# Altium PCB Board-PCB.PcbDoc (part 1 of 2)
Units mm, origin at the board's own origin, x right, y up, seen from the top; angles counter-clockwise.
Board outline 60 x 100 mm, 4 copper layers (Top Layer, Mid Layer 1, Mid Layer 2, Bottom Layer), stack 0.778 mm thick; 163 components, 149 nets, 665 pads, 352 vias.
Unrouted connection lines stored in the file: 350.
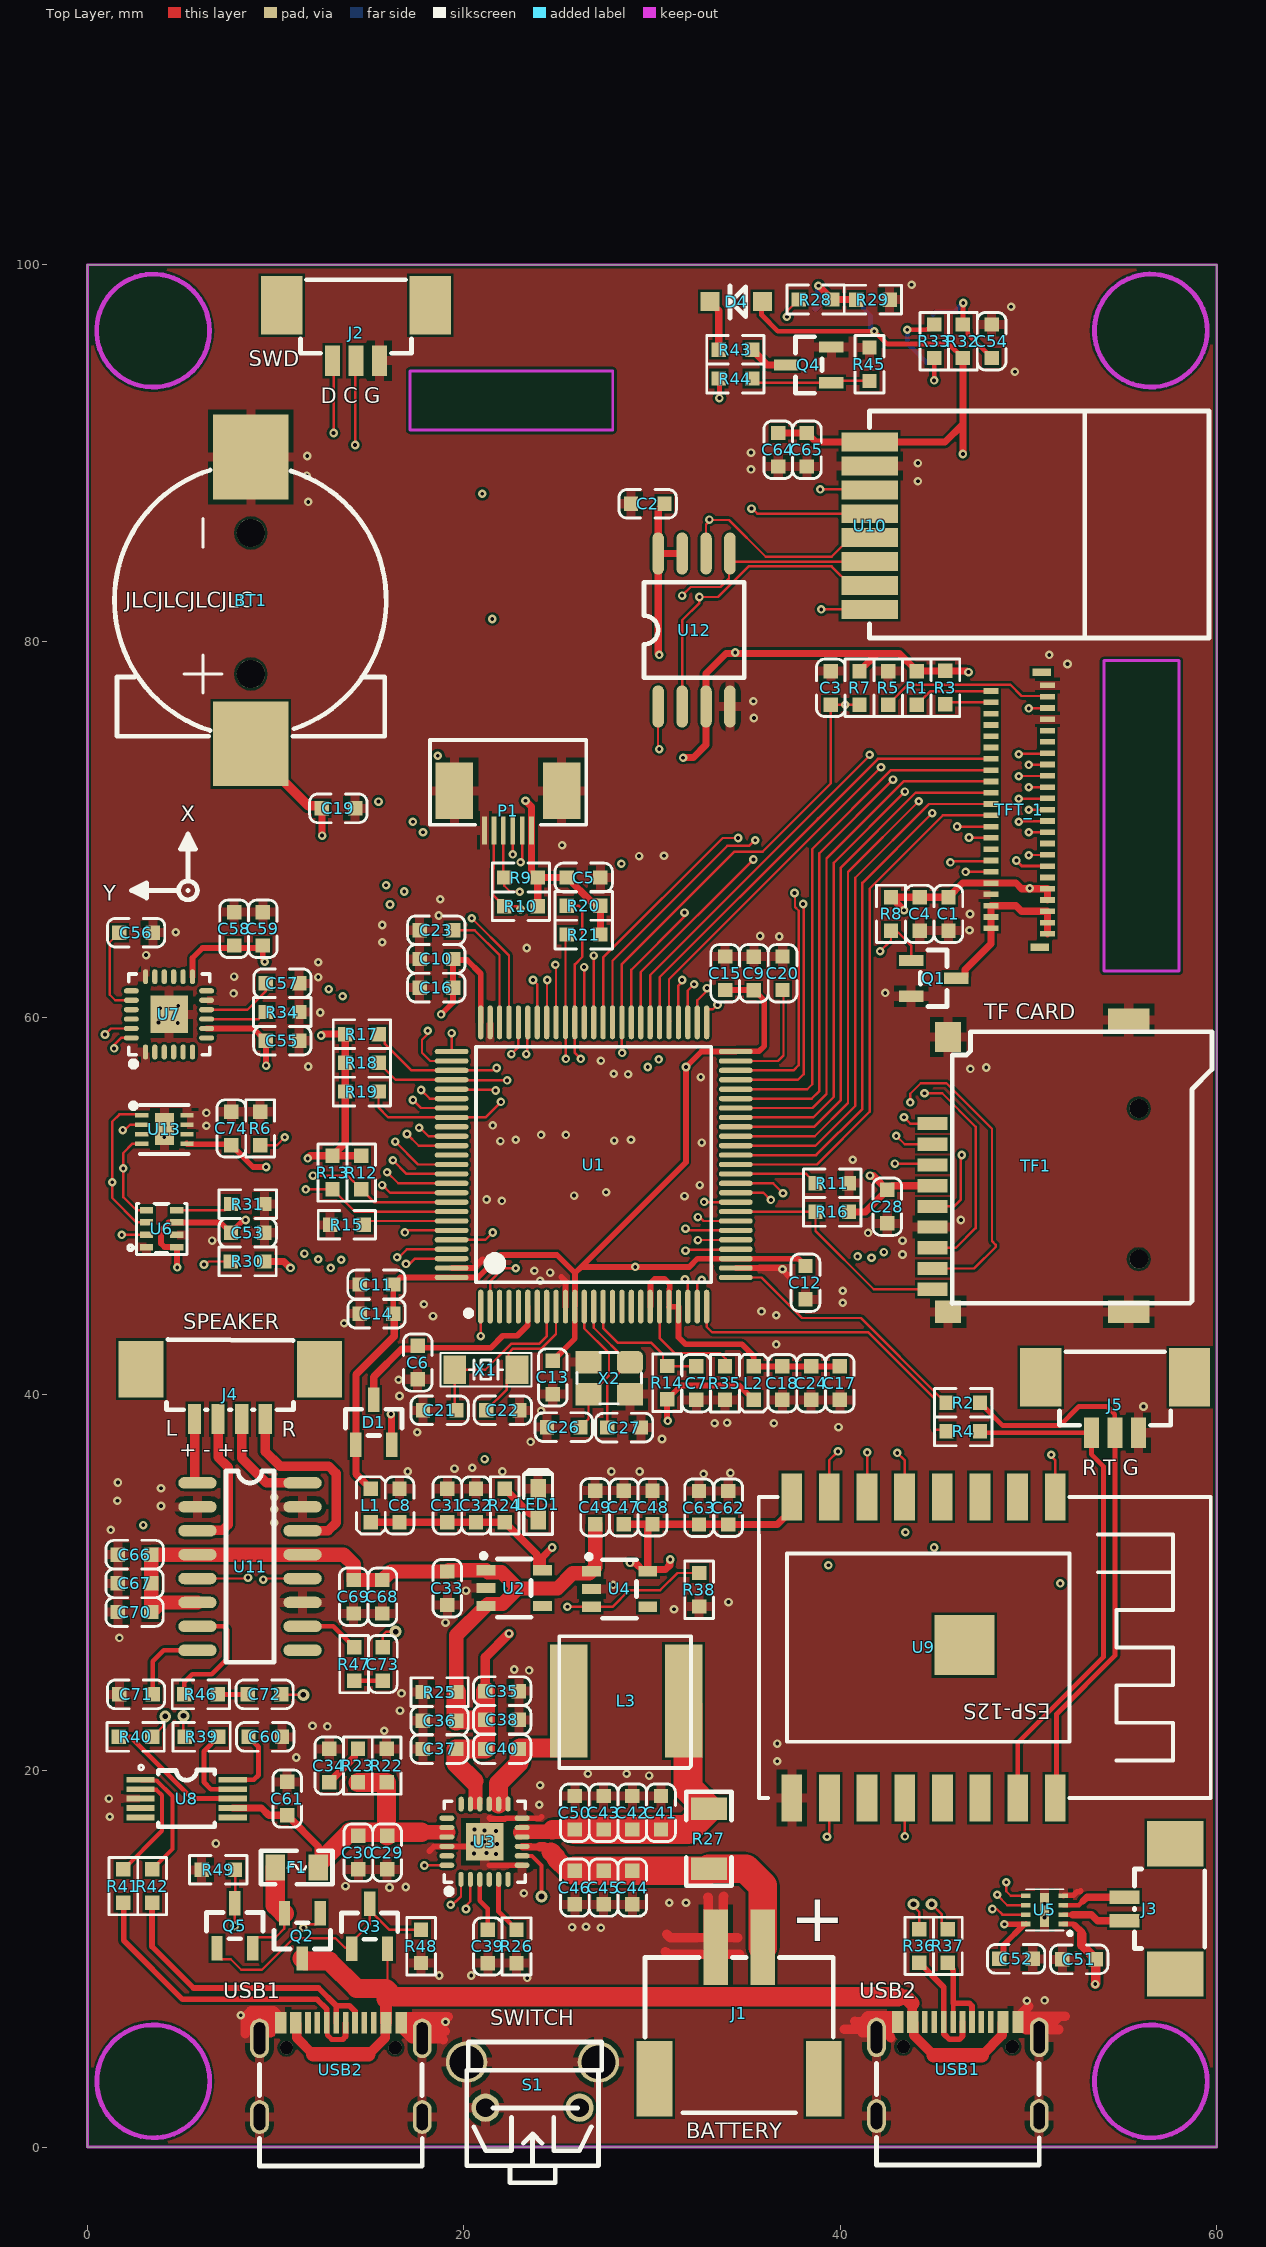
[diagram p0: Top Layer view]
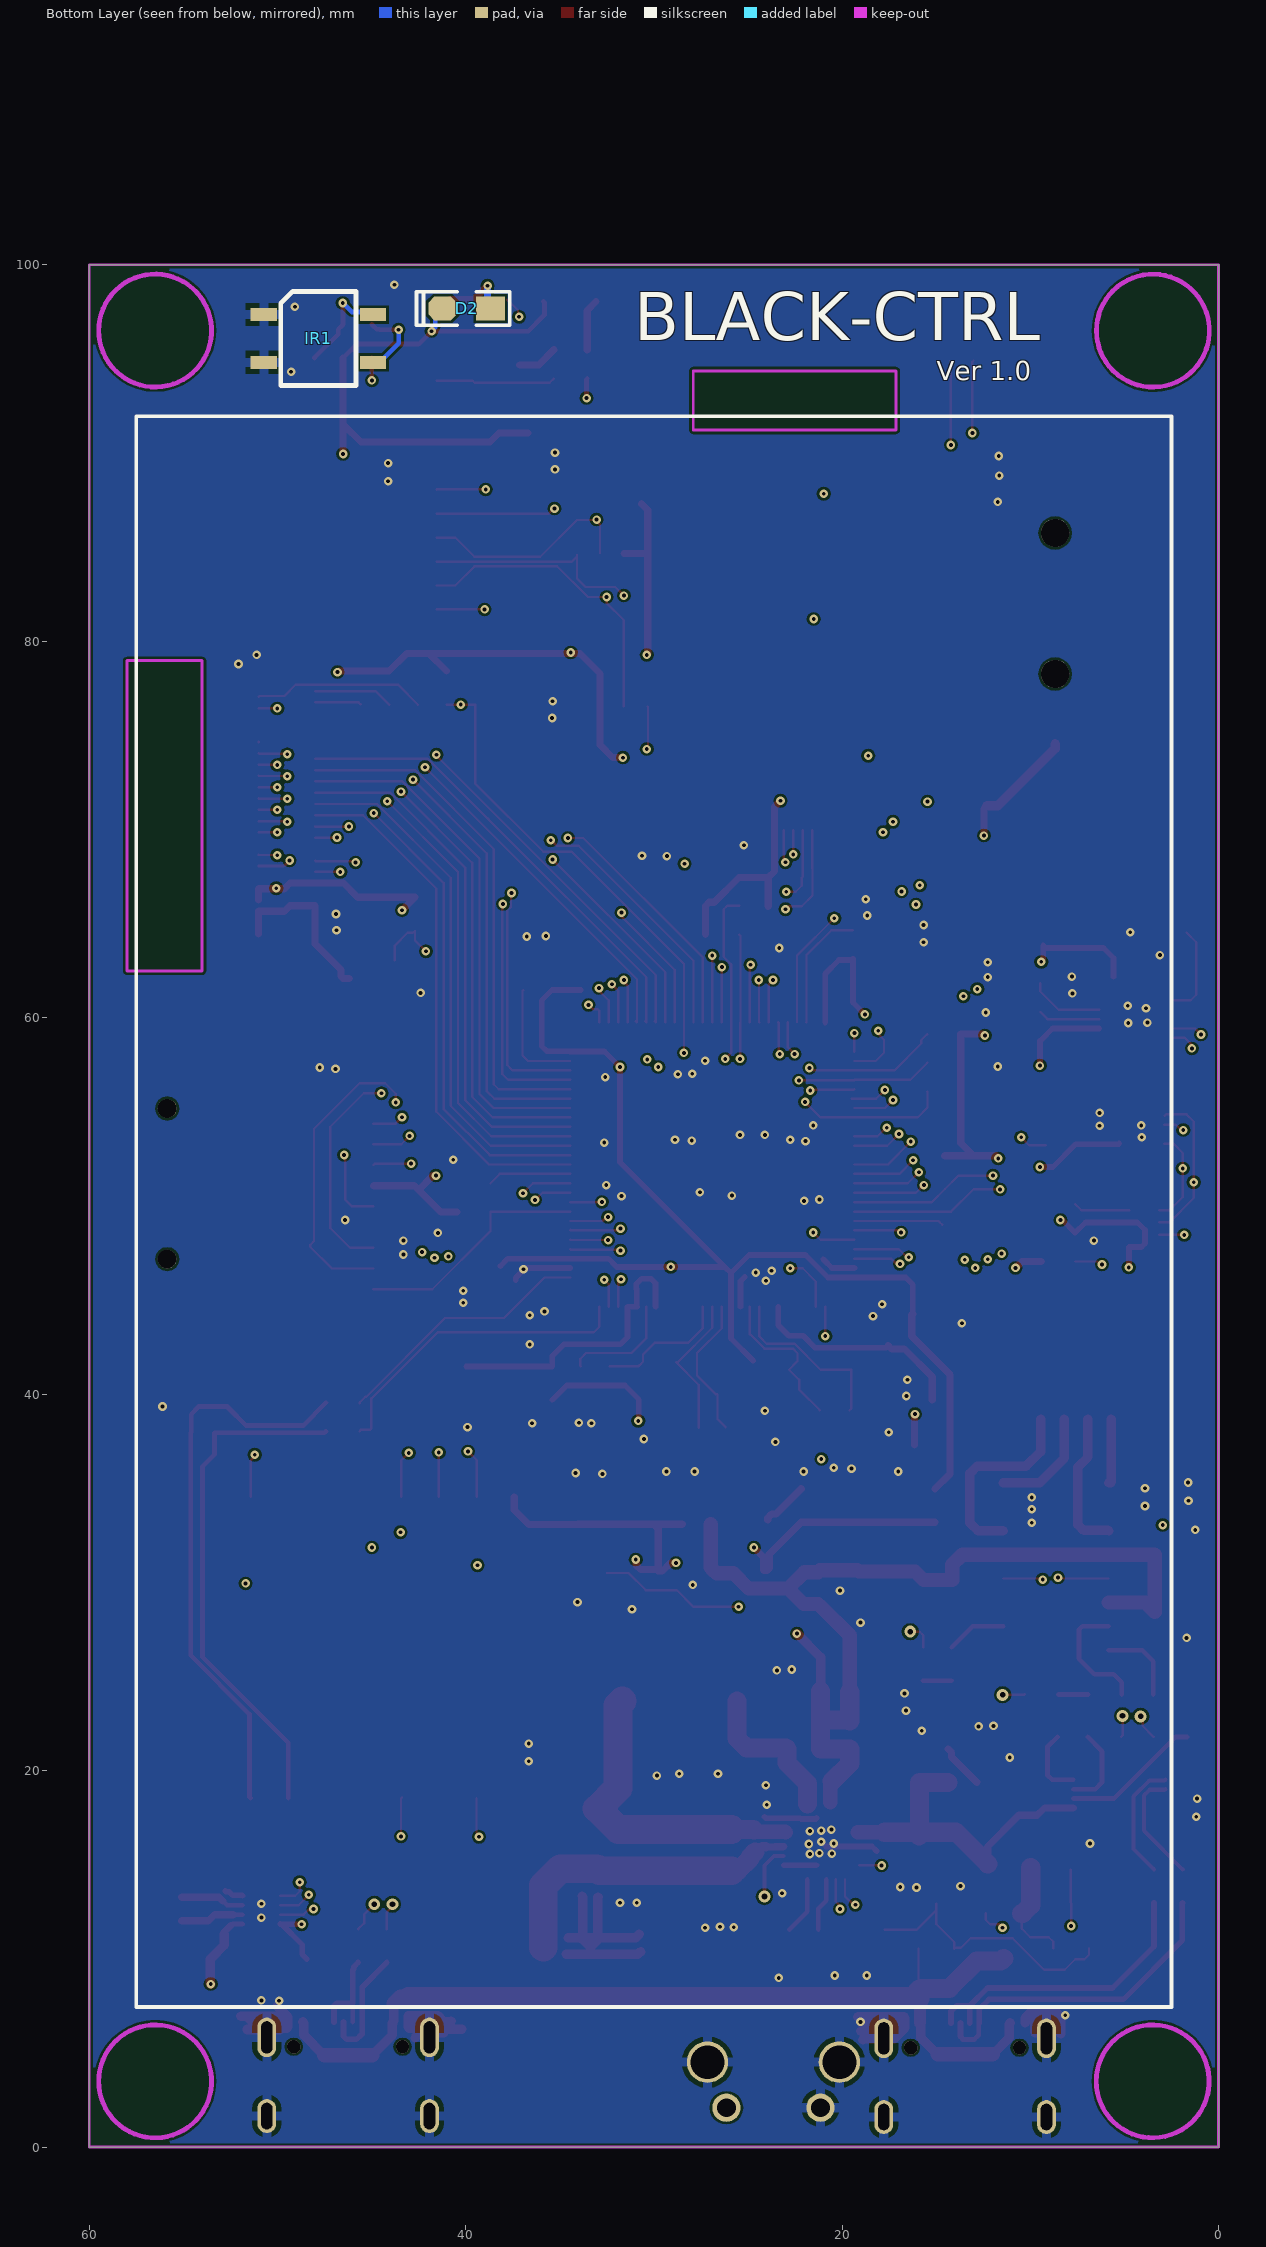
[diagram p1: Bottom Layer view, seen from below]
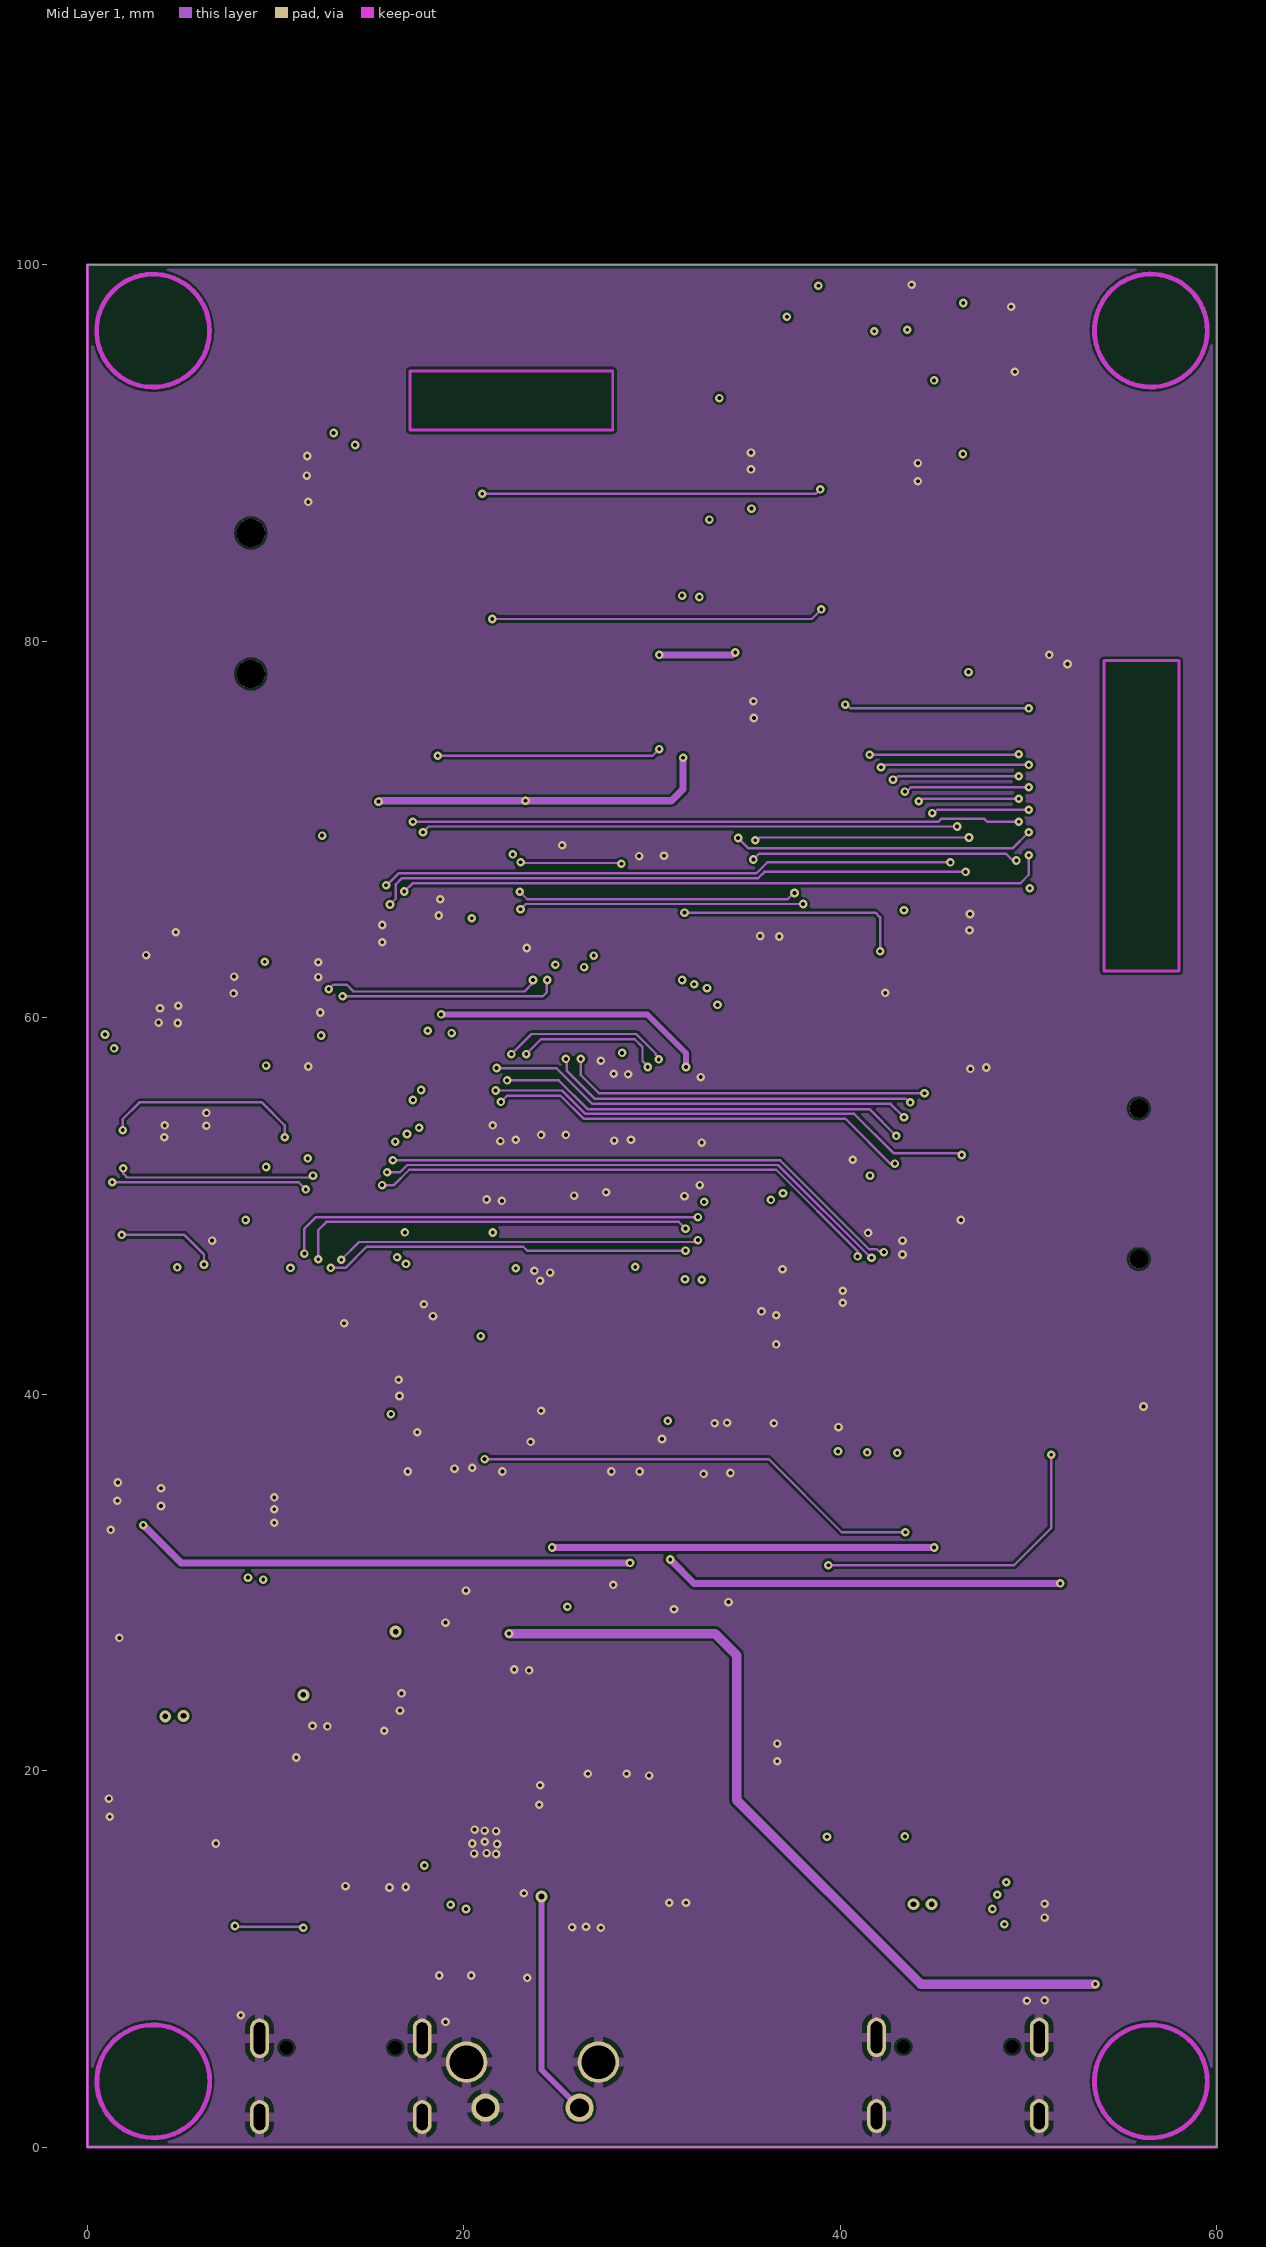
[diagram p2: Mid Layer 1]
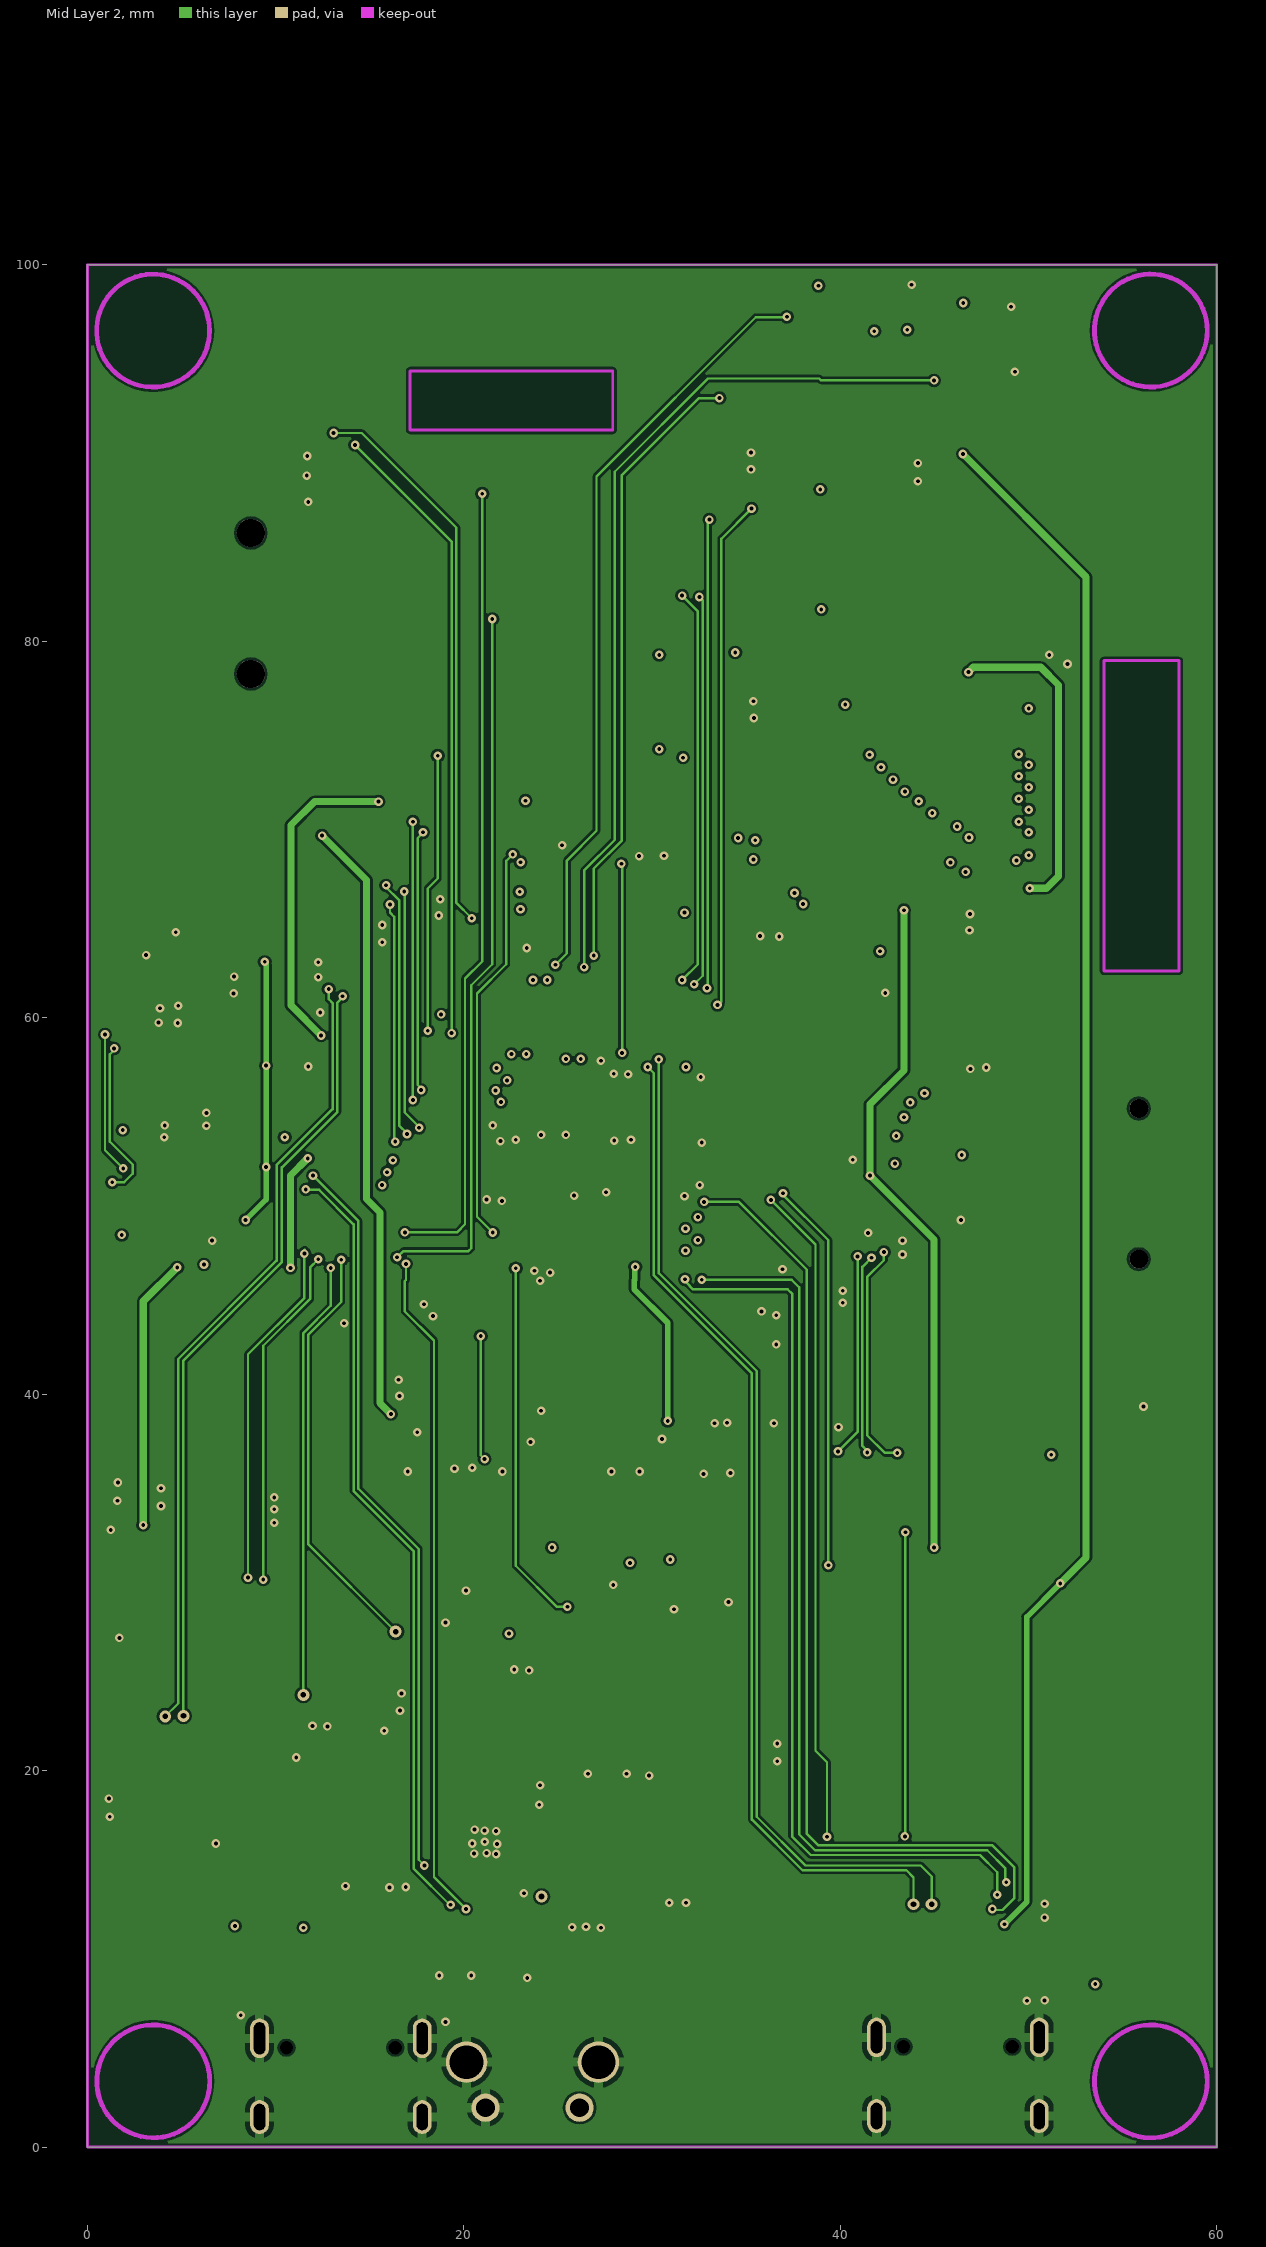
[diagram p3: Mid Layer 2]
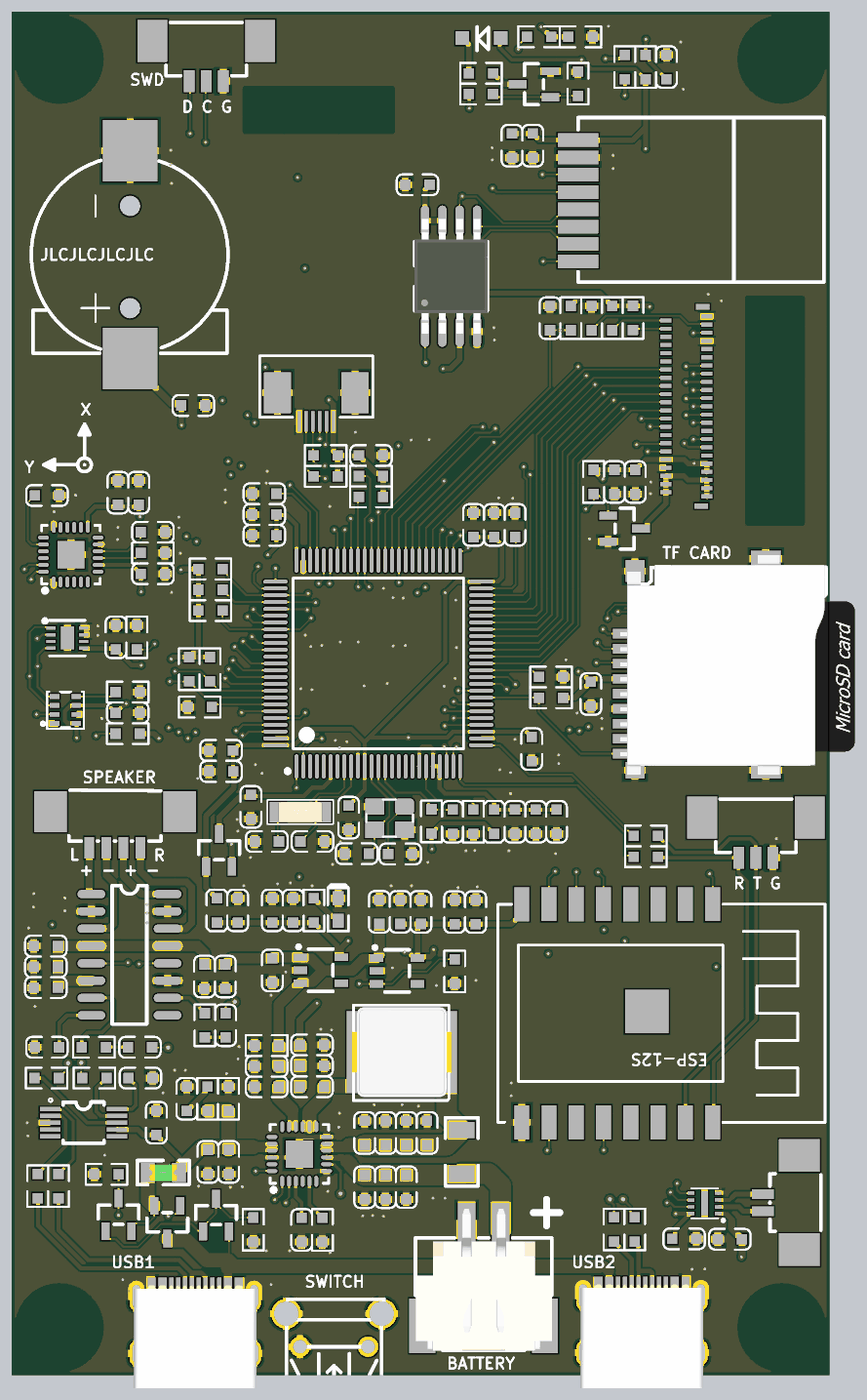
[diagram p5: 3D render of the assembled board from above, using the file's embedded part models]

## Layer stack, top to bottom
Top Solder: solder mask 0.0102, Solder Resist, Dk 3.5
Top Layer: signal copper 0.0356
Dielectric 1: core 0.254, FR-4, Dk 4.2
Mid Layer 1: signal copper 0.036
Dielectric 2: prepreg 0.127, Dk 4.2
Mid Layer 2: signal copper 0.036
Dielectric 3: core 0.254, Dk 4.2
Bottom Layer: signal copper 0.0356
Bottom Solder: solder mask 0.0102, Solder Resist, Dk 3.5

## Board outline
0,0 60,0 60,100 0,100

## Design rules (kind name [scope] priority, off if disabled: settings)
Clearance [All] p1: gap=0.127 ignorepadtopadclearanceinfootprint=TRUE
MinimumSolderMaskSliver [All] p1 off: minsoldermaskwidth=0.254
PolygonConnect Via [IsVia] p1: connectstyle=Direct reliefconductorwidth=0.254 reliefentries=4 polygonreliefangle="90 Angle" airgapwidth=0.254
PolygonConnect [All] p2: connectstyle=Relief reliefconductorwidth=0.508 reliefentries=4 polygonreliefangle="90 Angle" airgapwidth=0.254
RoutingVias [All] p1: holewidth=0.711 width=1.27 viastyle="Through Hole" minholewidth=0.711 minwidth=1.27 maxholewidth=0.711 maxwidth=1.27
SilkToSolderMaskClearance [IsPad] p1 off: minsilkscreentomaskgap=0.254 clearancetoexposedcopper=TRUE
SolderMaskExpansion [All] p1: expansion=0.102 istentingtop=FALSE
Width [All] p1: maxlimit=2.54 minlimit=0.127 preferedwidth=0.254
28 further rules are at their usual default settings.

## Classes and differential pairs
component class wireless: C62 C63 C64 C65 J5 R2 R4 U9 U10
component class USB: C60 C61 F1 Q2 Q3 Q5 R36 R37 R39 R40 R41 R42 R48 R49 U8 USB1 USB2
component class speaker: C66 C67 C68 C69 C70 C71 C72 C73 J4 R46 R47 U11
component class sensor: C51 C52 C53 C54 C55 C56 C57 C58 C59 C74 D2 IR1 J3 q R6 R28 R29 R30 R31 R32 R33 R34 U5 U6 U7 U13
component class POWER: C29 C30 C31 C32 C33 C34 C35 C36 C37 C38 C39 C40 C41 C42 C43 C44 C45 C46 C47 C48 C49 C50 J1 L3 LED1 R22 R23 R24 R25 R26 R27 R38 S1 U2 U3 U4
component class memory: C2 C28 R16 R17 R18 R19 R20 R21 TF1 U12
component class MCU: BT1 C6 C7 C8 C9 C10 C11 C12 C13 C14 C15 C16 C17 C18 C19 C20 C21 C22 C23 C24 C26 C27 D1 L1 L2 R11 R12 R13 R14 R15 R35 X1 X2
component class LCD: C1 C3 C4 C5 P1 Q1 R1 R3 R5 R7 R8 R9 R10 TFT_1
component class connect: D4 J2 Q4 R43 R44 R45

## Components (designator, comment, footprint, x,y, rotation, side; value= is the part's Value field where it differs from the comment)
BT1 "CR1220" CR1220-2 9.83,82.931 r90 top locked
C1 "10uF" "C 0603" 45.745,66.4 r270 top
C2 "104" "C 0603" 30.658,87.3 r180 top
C3 "104" "C 0603" 39.497,78.41 r270 top
C4 "104" "C 0603" 44.22,66.4 r270 top
C5 "104" "C 0603" 25.477,67.446 r0 top
C6 "104" "C 0603" 17.551,42.57 r270 top
C7 "104" "C 0603" 32.35,39.697 r90 top
C8 "104" "C 0603" 16.586,34.976 r270 top
C9 "104" "C 0603" 35.409,63.243 r270 top
C10 "104" "C 0603" 17.653,63.12 r0 top
C11 "104" "C 0603" 14.472,45.825 r0 top
C12 "104" "C 0603" 38.151,45.034 r90 top
C13 "104" "C 0603" 24.725,40 r90 top
C14 "10uF" "C 0603" 14.475,44.275 r0 top
C15 "10uF" "C 0603" 33.884,63.246 r270 top
C16 "10uF" "C 0603" 17.653,61.595 r0 top
C17 "104" "C 0603" 39.975,41.475 r270 top
C18 "10uF" "C 0603" 36.925,41.475 r270 top
C19 "104" "C 0603" 14.224,71.12 r180 top
C20 "104" "C 0603" 36.934,63.246 r270 top
C21 "6pF" "C 0603" 17.831,39.141 r0 top
C22 "6pF" "C 0603" 22.962,39.141 r180 top
C23 "104" "C 0603" 17.653,64.645 r0 top
C24 "104" "C 0603" 38.45,39.697 r90 top
C26 "22pF" "C 0603" 24.422,38.25 r0 top
C27 "22pF" "C 0603" 29.403,38.225 r180 top
C28 "104" "C 0603" 42.494,50.851 r270 top
C29 "104" "C 0603" 15.926,14.757 r90 top
C30 "10uF" "C 0603" 14.401,14.757 r90 top
C31 "104" "C 0603" 19.126,34.976 r270 top
C32 "1uF" "C 0603" 20.65,34.976 r270 top
C33 "1uF" "C 0603" 19.125,28.8 r90 top
C34 "10uF" "C 0603" 12.85,21.158 r270 top
C35 "104" "C 0603" 22.925,24.225 r180 top
C36 "10uF" "C 0603" 17.822,22.65 r0 top
C37 "22uF" "C 0603" 17.822,21.15 r0 top
C38 "22uF" "C 0603" 22.925,22.7 r180 top
C39 "2.2uF" "C 0603" 21.275,9.772 r90 top
C40 "3.3nF" "C 0603" 22.925,21.15 r180 top
C41 "104" "C 0603" 30.475,18.653 r270 top
C42 "10uF" "C 0603" 28.95,18.653 r270 top
C43 "104" "C 0603" 27.425,18.65 r270 top
C44 "104" "C 0603" 28.95,12.9 r90 top
C45 "10uF" "C 0603" 27.425,12.897 r90 top
C46 "104" "C 0603" 25.9,12.897 r90 top
C47 "104" "C 0603" 28.5,34.872 r270 top
C48 "1uF" "C 0603" 30.025,34.872 r270 top
C49 "1uF" "C 0603" 26.975,34.875 r270 top
C50 "104" "C 0603" 25.9,18.653 r270 top
C51 "104" "C 0603" 51.8,9.975 r0 top
C52 "104" "C 0603" 48.447,10 r0 top
C53 "104" "C 0603" 9.407,48.575 r180 top
C54 "1uF" "C 0603" 48.037,95.046 r90 top
C55 "103" "C 0603" 9.472,58.775 r0 top
C56 "2.2nF" "C 0603" 1.702,64.516 r0 top
C57 "104" "C 0603" 11.253,61.825 r180 top
C58 "104" "C 0603" 7.798,65.608 r270 top
C59 "10uF" "C 0603" 9.322,65.608 r270 top
C60 "104" "C 0603" 10.338,21.793 r180 top
C61 "10uF" "C 0603" 10.617,17.628 r90 top
C62 "104" "C 0603" 34.047,33.076 r90 top
C63 "10uF" "C 0603" 32.497,33.076 r90 top
C64 "104" "C 0603" 36.703,91.059 r270 top
C65 "10uF" "C 0603" 38.227,91.059 r270 top
C66 "1uF" "C 0603" 3.403,31.475 r180 top
C67 "10uF" "C 0603" 3.4,29.95 r180 top
C68 "1uF" "C 0603" 15.675,30.125 r270 top
C69 "10uF" "C 0603" 14.15,30.128 r270 top
C70 "1uF" "C 0603" 1.622,28.425 r0 top
C71 "104" "C 0603" 1.7,24.05 r0 top
C72 "104" "C 0603" 8.525,24.05 r0 top
C73 "104" "C 0603" 15.7,24.775 r90 top
C74 "104" "C 0603" 7.654,53.225 r90 top
D1 "BAT54C" SOT-23 14.265,37.3 r270 top
D2 "LED-RES" "LED 0805" 39.95,97.675 r0 bottom
D4 "LED-IR" IR12-21C 32.337,97.815 r180 top
F1 "1000mA" "F 0805" 11.125,14.859 r0 top
IR1 "IRM-H638T" IRM-H638T 48.075,95.65 r90 bottom
J1 "CON2" XH-2P-SMD 33.375,10.625 r0 top
J2 "CON3" SMD_3P-1.25 13.025,94.9 r0 top
J3 "CON2" SMD_2P-1.25 55.1,13.275 r270 top
J4 "CON4" SMD_4P-1.25 4.2,39.175 r0 top
J5 "CON3" SMD_3P-1.25 53.35,37.95 r0 top
L1 "10uH" "L 0603" 15.062,34.976 r270 top
L2 "GZ1608D601TF" "L 0603" 35.4,41.475 r270 top
L3 "1uH" L_7*7 25.579,23.7 r0 top
LED1 "LED" 0603_LED 23.952,33.325 r270 top